# Altium PCB 2008E_SablierElectronique_JJE.PcbDoc (part 2 of 2)
Units mm, origin at the board's own origin, x right, y up, seen from the top; angles counter-clockwise.
Board outline 120 x 100 mm, 2 copper layers (Top Layer, Bottom Layer), stack 1.586 mm thick; 129 components, 163 nets, 562 pads, 209 vias.
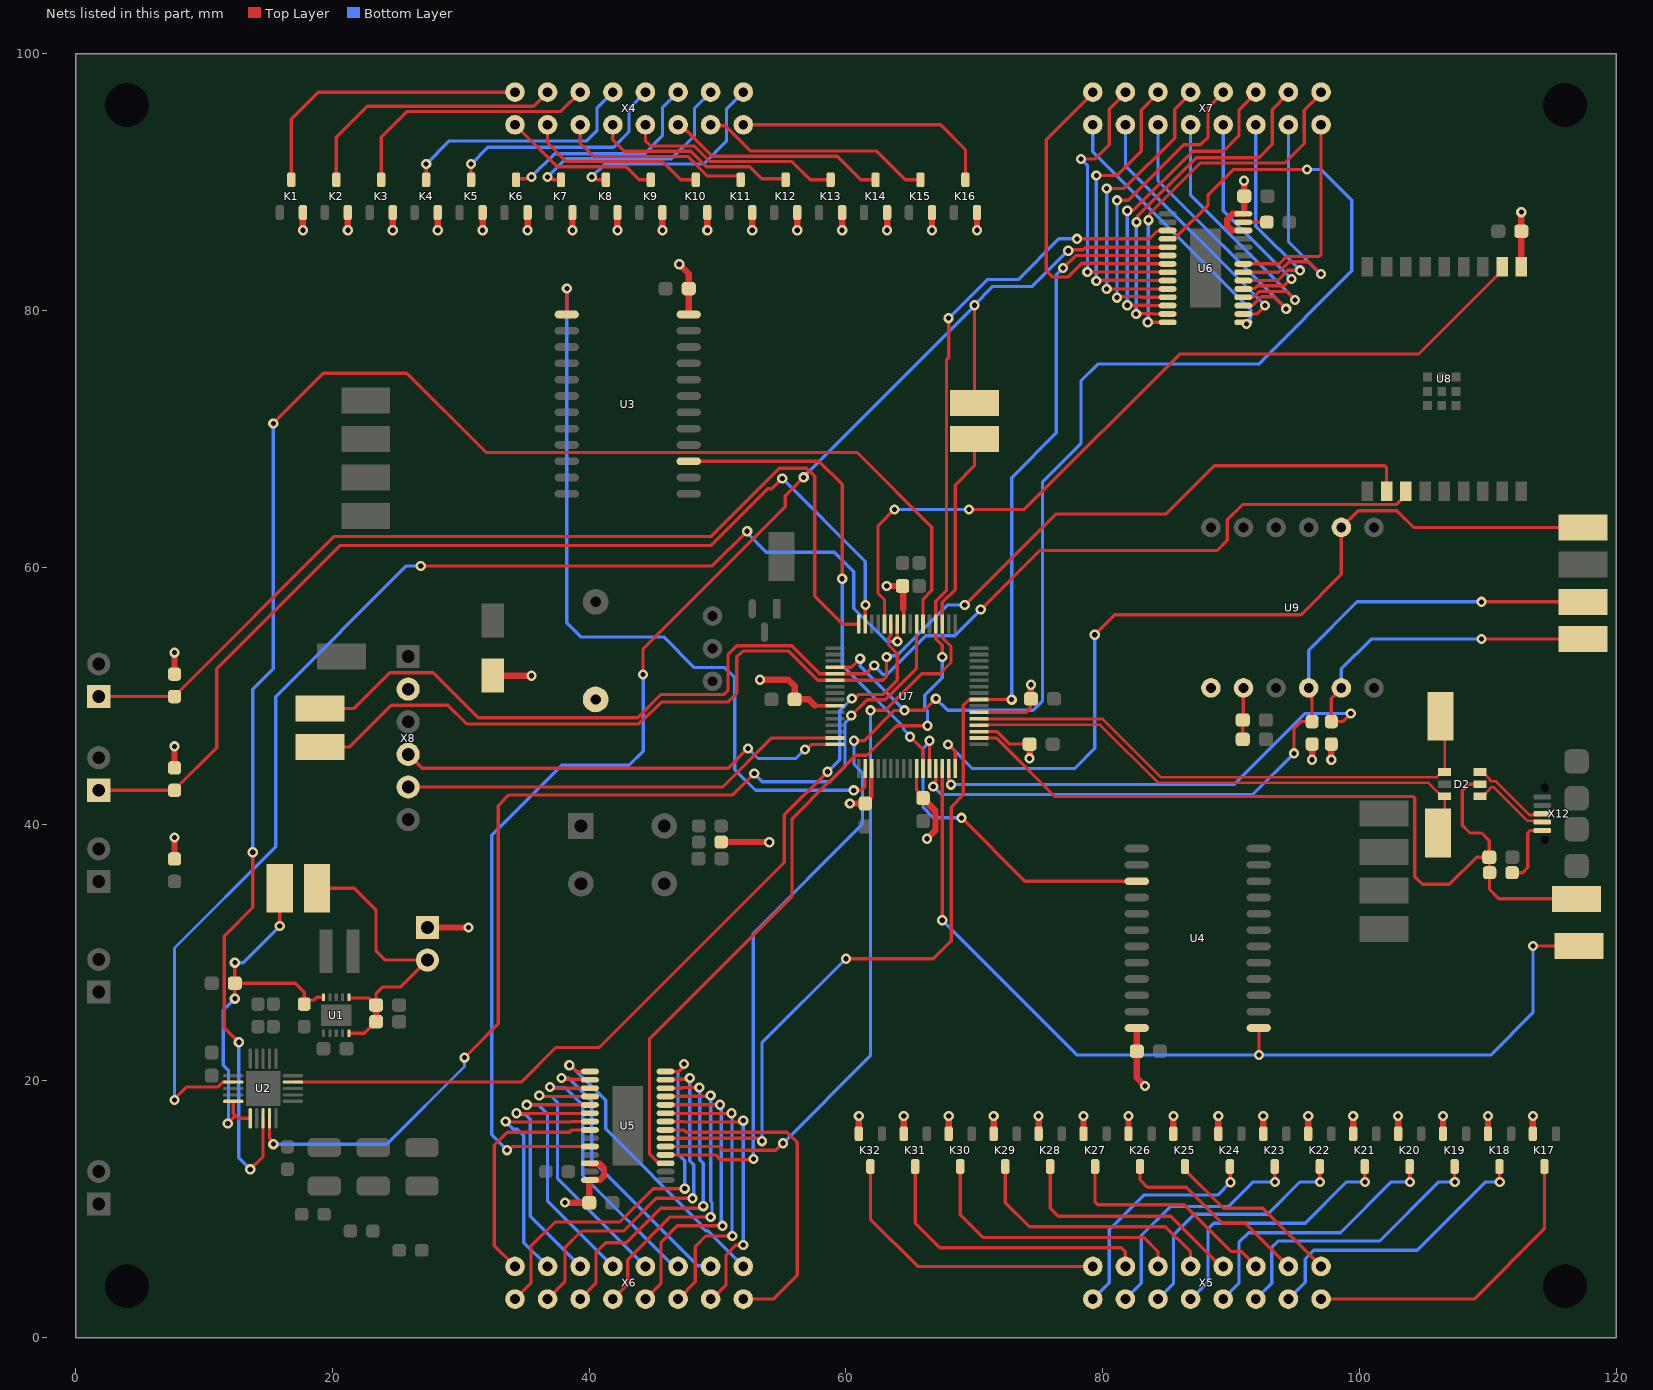
[diagram p2: the nets of this part, all layers, seen from the top]

## Via types
v1: diameter 0.8, hole 0.4, Top Layer to Bottom Layer, 209 vias

## Nets (pads, with @x,y where several pads share a name; then routed paths per layer and width w, separated by ;. In a path a pad name is that pad's centre, name@x,y a point inside that pad or via, vN(x,y) a via of type N, cw(c..) or ccw(c..) an arc to the next point about the centre after c; other vN are vias at no path point) (continued)
NetR9_2: R9.2 U6.27 | length 1.8
  Top Layer w0.254: U6.27@90.95,86.875 R9.2@92.783,86.875
NetR16_1: R16.1 X12.1 | length 5.3
  Top Layer w0.254: R16.1@111.875,36.213 112.7,36.213 113.1,36.613 113.1,39.3 113.3,39.5 X12.1@114.225,39.5
NetTP7_1: TP7.1 U4.1 U7.30 | length 74.5
  Top Layer w0.254: v1(67.5,32.5) U7.30@67.5,44.337 ; U4.1@92.15,24.115 92.16,24.105 v1(92.16,22) ; v1(113.5,30.5) TP7.1@117.1,30.5
  Bottom Layer w0.254: v1(67.5,32.5) 78,22 v1(92.16,22) 110.2,22 113.5,25.3 v1(113.5,30.5)
NetU2_3: U2.3 U7.54 | length 130.6
  Top Layer w0.254: v1(12.712,23) 11.572,24.14 11.572,31.269 13.8,33.497 v1(13.8,37.8) ; v1(13.6,13.103) 14.6,14.103 U2.3@14.6,17.075 ; v1(15.4,71.2) 19.3,75.1 25.798,75.1 31.965,68.933 60.867,68.933 66.688,63.112 66.688,58.209 66,57.521 U7.54@66,55.563
  Bottom Layer w0.254: v1(12.712,23) 12.712,13.991 v1(13.6,13.103) ; v1(13.8,37.8) 13.8,50.5 15.4,52.1 v1(15.4,71.2)
NetU2_4: U2.4 U7.55 | length 84
  Top Layer w0.254: U2.4@15.1,17.075 15.1,15.515 15.4,15.215 v1(15.4,15.067) ; v1(30.288,21.801) 32.915,24.428 32.915,41.435 33.745,42.265 51.185,42.265 v1(52.852,43.932) ; v1(60.413,48.45) 61.65,49.687 63.06,49.687 65.5,52.127 U7.55@65.5,55.563
  Bottom Layer w0.254: v1(15.4,15.067) 24.244,15.067 30.288,21.111 v1(30.288,21.801) ; v1(52.852,43.932) 53.485,43.3 58.75,43.3 59.915,44.465 59.915,47.844 60.413,48.342 v1(60.413,48.45)
NetU2_9: U2.9 U7.59 | length 69.2
  Top Layer w0.254: U2.9@16.925,19.9 34.712,19.9 37.412,22.6 40.8,22.6 55.2,37 55.2,40.709 v1(58.562,44.071) ; v1(60.458,49.773) 60.605,49.773 60.792,49.96 60.868,49.96 61,50.092 62.892,50.092 64,51.2 64,53.262 63.322,53.94 63.322,54.501 63.488,54.668 63.488,55.552 U7.59@63.5,55.563
  Bottom Layer w0.254: v1(58.562,44.071) 59.51,45.018 59.51,48.825 v1(60.458,49.773)
NetU2_17: U2.17 U7.58 | length 100.3
  Top Layer w0.254: v1(7.7,18.5) 7.7,18.608 8.6,19.508 11.054,19.508 11.445,19.898 12.273,19.898 U2.17@12.275,19.9 ; v1(26.879,60.1) 49.6,60.1 v1(52.3,62.8) ; v1(64,54.221) U7.58@64,55.563
  Bottom Layer w0.254: v1(7.7,18.5) 7.7,30.342 15.588,38.23 15.588,49.925 25.763,60.1 v1(26.879,60.1) ; v1(52.3,62.8) 52.3,62.663 53.79,61.173 59.077,61.173 60.6,59.65 60.6,56.784 63.163,54.221 v1(64,54.221)
NetU3_1: U3.1 U7.18 | length 62.4
  Top Layer w0.254: U3.1@38.25,79.685 38.25,81.692 v1(38.258,81.7) ; v1(60.6,42.62) 60.623,42.644 61.173,42.644 61.487,42.958 61.487,44.324 U7.18@61.5,44.337
  Bottom Layer w0.254: v1(38.258,81.7) 38.258,55.665 39.35,54.573 45.798,54.573 48.185,52.185 50.559,52.185 51.335,51.41 51.335,44.236 52.95,42.62 v1(60.6,42.62)
NetU3_15: U3.15 U7.27 | length 37.4
  Top Layer w0.254: U3.15@47.75,68.255 57.894,68.255 59.7,66.449 v1(59.7,59.099) ; v1(64.985,46.795) 66,45.78 U7.27@66,44.337
  Bottom Layer w0.254: v1(59.7,59.099) 59.7,52.349 64.478,47.571 64.478,47.392 64.985,46.884 v1(64.985,46.795)
NetU4_15: U4.15 U7.28 | length 26.6
  Top Layer w0.254: U7.28@66.5,44.337 66.503,44.34 66.503,46.48 v1(66.506,46.483) ; v1(69,40.478) 73.933,35.545 U4.15@82.65,35.545
  Bottom Layer w0.254: v1(66.506,46.483) 66.506,46.391 66,45.884 66,41.29 66.812,40.478 v1(69,40.478)
NetU7_60: U7.60 U8.2 | length 65.1
  Top Layer w0.254: U7.60@63,55.563 63,57.452 62.498,57.954 62.498,63.227 v1(63.771,64.5) ; v1(69.581,64.5) 73.9,64.5 86,76.6 104.59,76.6 111.1,83.11 U8.2@111.1,83.41
  Bottom Layer w0.254: v1@63.7,64.5 v1(69.581,64.5)
OBL0: K17.3 X5.1 | length 24.5
  Top Layer w0.254: X5.1@97,3 108.921,3 114.4,8.479 K17.3@114.4,13.325
OBL1: K18.3 X5.2 | length 22.5
  Top Layer w0.254: v1@110.9,12.141 K18.3@110.9,13.325
  Bottom Layer w0.254: X5.2@94.46,3 95.76,4.3 95.76,6.121 96.439,6.8 104.5,6.8 109.82,12.12 v1(110.92,12.12)
OBL2: K19.3 X5.3 | length 22.1
  Top Layer w0.254: v1@107.4,12.141 K19.3@107.4,13.325
  Bottom Layer w0.254: X5.3@91.92,3 93.156,4.236 93.156,7.023 93.655,7.523 101.555,7.523 106.153,12.12 v1(107.42,12.12)
OBL3: K20.3 X5.4 | length 21.4
  Top Layer w0.254: v1@103.9,12.141 K20.3@103.9,13.325
  Bottom Layer w0.254: X5.4@89.38,3 90.6,4.22 90.6,7.414 91.359,8.173 98.513,8.173 102.459,12.12 v1(103.92,12.12)
OBL4: K21.3 X5.5 | length 21
  Top Layer w0.254: v1@100.4,12.141 K21.3@100.4,13.325
  Bottom Layer w0.254: X5.5@86.84,3 88.2,4.36 88.2,8.471 88.629,8.9 95.76,8.9 98.981,12.12 v1(100.42,12.12)
OBL5: K22.3 X5.6 | length 19.8
  Top Layer w0.254: v1@96.9,12.141 K22.3@96.9,13.325
  Bottom Layer w0.254: X5.6@84.3,3 85.5,4.2 85.5,7.973 87.127,9.6 92.84,9.6 95.36,12.12 v1(96.92,12.12)
OBL6: K23.3 X5.7 | length 18.8
  Top Layer w0.254: v1@93.4,12.141 K23.3@93.4,13.325
  Bottom Layer w0.254: X5.7@81.76,3 83,4.24 83,7.951 85.249,10.2 89.786,10.2 91.706,12.12 v1(93.42,12.12)
OBL7: K24.3 X5.8 | length 18.1
  Top Layer w0.254: K24.3@89.9,13.325 89.92,13.305 89.92,12.12 v1(89.941,12.1)
  Bottom Layer w0.254: X5.8@79.22,3 80.5,4.28 80.5,8.4 83.2,11.1 88.941,11.1 v1(89.941,12.1)
OBL8: K25.3 X5.9 | length 14
  Top Layer w0.254: K25.3@86.4,13.325 86.4,13.075 89.401,10.074 92.466,10.074 X5.9@97,5.54
OBL9: K26.3 X5.10 | length 15.4
  Top Layer w0.254: K26.3@82.9,13.325 82.9,12.279 83.479,11.7 86.509,11.7 89.309,8.9 91.1,8.9 X5.10@94.46,5.54
OBL10: K27.3 X5.11 | length 17.4
  Top Layer w0.254: K27.3@79.4,13.325 79.4,10.556 79.62,10.336 86.353,10.336 89.979,6.71 90.8,6.71 91.92,5.59 X5.11@91.92,5.54
OBL11: K28.3 X5.12 | length 18.6
  Top Layer w0.254: K28.3@75.9,13.325 75.9,10.074 76.52,9.454 85.281,9.454 89.195,5.54 X5.12@89.38,5.54
OBL12: K29.3 X5.13 | length 20
  Top Layer w0.254: K29.3@72.4,13.325 72.4,10.518 74.292,8.626 84.882,8.626 86.835,6.673 86.835,5.545 X5.13@86.84,5.54
OBL13: K30.3 X5.14 | length 21.5
  Top Layer w0.254: K30.3@68.9,13.325 68.9,9.563 70.662,7.8 83.176,7.8 84.299,6.677 84.299,5.541 X5.14@84.3,5.54
OBL14: K31.3 X5.15 | length 22.8
  Top Layer w0.254: K31.3@65.4,13.325 65.4,8.915 67.316,6.999 81.434,6.999 81.757,6.676 81.757,5.542 X5.15@81.76,5.54
OBL15: K32.3 X5.16 | length 22.9
  Top Layer w0.254: K32.3@61.9,13.325 61.9,9.228 65.588,5.54 X5.16@79.22,5.54
OL0: K1.3 X4.1 | length 23
  Top Layer w0.254: K1.3@16.8,90.175 16.8,94.9 18.9,97 X4.1@34.22,97
OL1: K2.3 X4.2 | length 21.2
  Top Layer w0.254: K2.3@20.3,90.175 20.3,93.5 22.705,95.905 35.665,95.905 X4.2@36.76,97
OL2: K3.3 X4.3 | length 20.3
  Top Layer w0.254: K3.3@23.8,90.175 23.8,93.486 25.814,95.5 37.8,95.5 X4.3@39.3,97
OL3: K4.3 X4.4 | length 19.1
  Top Layer w0.254: K4.3@27.3,90.175 v1(27.3,91.4)
  Bottom Layer w0.254: v1(27.3,91.4) 29.1,93.2 39.8,93.2 40.6,94 40.6,95.76 X4.4@41.84,97
OL4: K5.3 X4.5 | length 18.2
  Top Layer w0.254: K5.3@30.8,90.175 v1(30.8,91.4)
  Bottom Layer w0.254: v1(30.8,91.4) 32.1,92.7 41.9,92.7 43.1,93.9 43.1,95.72 X4.5@44.38,97
OL5: K6.3 X4.6 | length 16.7
  Top Layer w0.254: K6.3@34.3,90.175 34.39,90.265 35.217,90.265 35.352,90.4 v1(35.5,90.4)
  Bottom Layer w0.254: v1(35.5,90.4) 37.31,92.21 44.31,92.21 45.7,93.6 45.7,95.78 X4.6@46.92,97
OL6: K7.3 X4.7 | length 17.8
  Top Layer w0.254: v1(36.76,90.4) 36.908,90.4 37.133,90.175 K7.3@37.8,90.175
  Bottom Layer w0.254: v1(36.76,90.4) 38.165,91.805 46.405,91.805 48.2,93.6 48.2,95.74 X4.7@49.46,97
OL7: K8.3 X4.8 | length 17.2
  Top Layer w0.254: v1(40.2,90.4) 40.348,90.4 40.573,90.175 K8.3@41.3,90.175
  Bottom Layer w0.254: v1(40.2,90.4) 41.2,91.4 48.9,91.4 50.7,93.2 50.7,95.7 X4.8@52,97
OL8: K9.3 X4.9 | length 12.4
  Top Layer w0.254: X4.9@34.22,94.46 37.495,91.185 42.876,91.185 43.886,90.175 K9.3@44.8,90.175
OL9: K10.3 X4.10 | length 14.1
  Top Layer w0.254: X4.10@36.76,94.46 36.76,93.04 38.21,91.59 45.71,91.59 47.125,90.175 K10.3@48.3,90.175
OL10: K11.3 X4.11 | length 15.2
  Top Layer w0.254: X4.11@39.3,94.46 39.3,93 40.305,91.995 47.678,91.995 49.212,90.461 51.605,90.461 51.8,90.265 K11.3@51.8,90.175
OL11: K12.3 X4.12 | length 15.9
  Top Layer w0.254: X4.12@41.84,94.46 41.84,93.3 42.74,92.4 47.91,92.4 49.12,91.19 52.51,91.19 53.435,90.265 55.21,90.265 K12.3@55.3,90.175
OL12: K13.3 X4.13 | length 16.9
  Top Layer w0.254: X4.13@44.38,94.46 44.38,93.225 44.8,92.805 48.195,92.805 49.4,91.6 55.785,91.6 57.21,90.175 K13.3@58.8,90.175
OL13: K14.3 X4.14 | length 17.2
  Top Layer w0.254: X4.14@46.92,94.46 47.113,94.46 49.568,92.005 59.323,92.005 61.153,90.175 K14.3@62.3,90.175
OL14: K15.3 X4.15 | length 18.1
  Top Layer w0.254: X4.15@49.46,94.46 49.534,94.386 50.603,94.386 52.579,92.41 62.39,92.41 64.625,90.175 K15.3@65.8,90.175
OL15: K16.3 X4.16 | length 20.5
  Top Layer w0.254: X4.16@52,94.46 67.372,94.46 69.3,92.532 K16.3@69.3,90.175
OutAC0: U5.7 X6.1 | length 26
  Top Layer w0.254: U5.7@45.95,16.175 47.377,16.175 47.552,16 55.4,16 56.2,15.2 56.2,4.851 54.349,3 X6.1@52,3
OutAC1: U5.8 X6.2 | length 21.4
  Top Layer w0.254: U5.8@45.95,16.825 47.354,16.825 47.382,16.797 51.901,16.797 v1(52,16.896) ; X6.2@49.46,3 49.558,3 50.658,4.1 50.658,6.43 51.419,7.191 51.985,7.191 v1(52,7.206)
  Bottom Layer w0.254: v1(52,7.206) v1(52,16.896)
OutAC2: U5.9 X6.3 | length 22.6
  Top Layer w0.254: U5.9@45.95,17.475 45.964,17.461 51.073,17.461 v1(51.087,17.475) ; X6.3@46.92,3 48.251,4.331 48.251,7.078 49.085,7.912 v1(51.149,7.912)
  Bottom Layer w0.254: v1(51.087,17.475) 51.118,17.444 51.118,7.943 v1(51.149,7.912)
OutAC3: U5.10 X6.4 | length 24
  Top Layer w0.254: X6.4@44.38,3 45.6,4.22 45.6,7.436 46.864,8.7 v1(50.373,8.7) ; U5.10@45.95,18.125 45.957,18.132 50.184,18.132 v1(50.191,18.139)
  Bottom Layer w0.254: v1(50.191,18.139) 50.282,18.048 50.282,8.791 v1(50.373,8.7)
OutAC4: U5.11 X6.5 | length 24.5
  Top Layer w0.254: X6.5@41.84,3 43,4.16 43,6.075 46.325,9.4 v1(49.46,9.4) ; U5.11@45.95,18.775 45.978,18.803 49.414,18.803 v1(49.46,18.849)
  Bottom Layer w0.254: v1(49.46,9.4) 49.563,9.503 49.563,10.518 49.46,10.621 v1(49.46,18.849)
OutAC5: U5.12 X6.6 | length 26
  Top Layer w0.254: X6.6@39.3,3 40.525,4.225 40.525,6.625 41.279,7.38 42.891,7.38 45.588,10.076 48.723,10.076 v1(48.885,10.238) ; U5.12@45.95,19.425 47.22,19.425 47.276,19.481 v1(48.576,19.481)
  Bottom Layer w0.254: v1(48.576,19.481) 48.609,19.448 48.609,13.86 48.885,13.585 v1(48.885,10.238)
OutAC6: U5.13 X6.7 | length 27.6
  Top Layer w0.254: X6.7@36.76,3 38.106,4.346 38.106,7.009 39.398,8.3 42.691,8.3 45.232,10.842 v1(48.051,10.842) ; U5.13@45.95,20.075 45.988,20.113 47.735,20.113 v1(47.837,20.214)
  Bottom Layer w0.254: v1(47.837,20.214) 47.837,13.779 48.149,13.467 48.149,10.939 v1(48.051,10.842)
OutAC7: U5.14 X6.8 | length 30.4
  Top Layer w0.254: X6.8@34.22,3 35.458,4.238 35.458,7.117 37.341,9 42.384,9 44.984,11.6 v1(47.443,11.6) ; U5.14@45.95,20.725 46.979,20.725 47.283,21.03 47.283,21.196 v1(47.388,21.3)
  Bottom Layer w0.254: v1(47.388,21.3) 47.388,21.152 46.92,20.684 46.92,14.29 47.432,13.779 47.432,12.531 47.443,12.52 v1(47.443,11.6)
OutAC8: U5.15 X6.9 | length 23.2
  Top Layer w0.254: v1(38.455,21.213) 38.533,21.213 39.021,20.725 U5.15@40.05,20.725
  Bottom Layer w0.254: v1(38.455,21.213) 38.533,21.213 41.279,18.467 41.279,16.261 48.662,8.878 48.662,8.719 49.059,8.322 49.218,8.322 X6.9@52,5.54
OutAC9: U5.16 X6.10 | length 22.6
  Top Layer w0.254: v1(37.845,20.214) 37.946,20.113 40.013,20.113 U5.16@40.05,20.075
  Bottom Layer w0.254: v1(37.845,20.214) 37.864,20.195 38.422,20.195 40.2,18.417 40.2,13.86 48.466,5.594 49.406,5.594 X6.10@49.46,5.54
OutAC10: U5.17 X6.11 | length 22.1
  Top Layer w0.254: v1(36.949,19.51) 37.034,19.425 U5.17@40.05,19.425
  Bottom Layer w0.254: v1(36.949,19.51) 36.978,19.481 38.108,19.481 39.502,18.088 39.502,12.622 46.583,5.54 X6.11@46.92,5.54
OutAC11: U5.18 X6.12 | length 21.2
  Top Layer w0.254: v1(36.112,18.85) 36.187,18.775 U5.18@40.05,18.775
  Bottom Layer w0.254: v1(36.112,18.85) 36.187,18.775 37.062,18.775 37.533,18.304 37.533,12.387 X6.12@44.38,5.54
OutAC12: U5.19 X6.13 | length 20.8
  Top Layer w0.254: v1(35.133,18.125) U5.19@40.05,18.125
  Bottom Layer w0.254: v1(35.133,18.125) 36.034,18.125 36.76,17.399 36.76,10.62 X6.13@41.84,5.54
OutAC13: U5.20 X6.14 | length 20.1
  Top Layer w0.254: v1(34.34,17.475) 34.368,17.447 40.022,17.447 U5.20@40.036,17.461
  Bottom Layer w0.254: v1(34.34,17.475) 34.445,17.371 35.055,17.371 35.404,17.022 35.404,9.436 X6.14@39.3,5.54
OutAC14: U5.21 X6.15 | length 19.4
  Top Layer w0.254: v1(33.489,16.825) 33.517,16.797 38.618,16.797 38.646,16.825 U5.21@40.05,16.825
  Bottom Layer w0.254: v1(33.489,16.825) 34.086,16.229 34.408,16.229 34.9,15.737 34.9,7.4 X6.15@36.76,5.54
OutAC15: U5.22 X6.16 | length 18.1
  Top Layer w0.254: X6.16@34.22,5.54 32.6,7.16 32.6,15 33.6,16 38.482,16 38.657,16.175 U5.22@40.05,16.175
OutBC0: U6.7 X7.1 | length 25.4
  Top Layer w0.254: X7.1@79.22,96.9 75.6,93.28 75.6,83.093 76.097,82.596 77.27,82.596 78.352,83.678 79.997,83.678 80.05,83.625 U6.7@85.05,83.625
OutBC1: U6.8 X7.2 | length 22.5
  Top Layer w0.254: v1(78.3,91.8) 79.4,91.8 80.5,92.9 80.5,95.66 81.74,96.9 X7.2@81.76,96.9 ; v1(78.8,83) 78.812,82.988 85.038,82.988 U6.8@85.05,82.975
  Bottom Layer w0.254: v1(78.3,91.8) 78.8,91.3 v1(78.8,83)
OutBC2: U6.9 X7.3 | length 23.1
  Top Layer w0.254: v1(79.5,82.297) 79.556,82.353 82.104,82.353 82.132,82.325 U6.9@85.05,82.325 ; v1(79.5,90.5) 81.1,90.5 83,92.4 83,95.6 X7.3@84.3,96.9
  Bottom Layer w0.254: v1(79.5,82.297) v1(79.5,90.5)
OutBC3: U6.10 X7.4 | length 23.5
  Top Layer w0.254: v1(80.3,81.675) U6.10@85.05,81.675 ; v1(80.3,89.5) 81.681,89.5 85.6,93.419 85.6,95.66 X7.4@86.84,96.9
  Bottom Layer w0.254: v1(80.3,81.675) v1(80.3,89.5)
OutBC4: U6.11 X7.5 | length 24.7
  Top Layer w0.254: v1(81.1,80.997) 81.181,81.078 82.892,81.078 82.945,81.025 U6.11@85.05,81.025 ; v1(81.1,88.575) 81.967,88.575 86.292,92.9 87.6,92.9 88.2,93.5 88.2,95.8 89.3,96.9 X7.5@89.38,96.9
  Bottom Layer w0.254: v1(81.1,80.997) v1(81.1,88.575)
OutBC5: U6.12 X7.6 | length 25.5
  Top Layer w0.254: v1(81.9,80.4) 81.903,80.403 83.388,80.403 83.416,80.375 U6.12@85.05,80.375 ; v1(81.9,87.759) 81.969,87.828 82.428,87.828 87,92.4 89.4,92.4 90.6,93.6 90.6,95.58 X7.6@91.92,96.9
  Bottom Layer w0.254: v1(81.9,80.4) v1(81.9,87.759)
OutBC6: U6.13 X7.7 | length 27.4
  Top Layer w0.254: v1(82.6,79.725) 82.628,79.753 83.878,79.753 83.906,79.725 U6.13@85.05,79.725 ; v1(82.628,86.875) 82.732,86.979 82.732,87.366 87.267,91.9 92.168,91.9 93.2,92.932 93.2,95.64 X7.7@94.46,96.9
  Bottom Layer w0.254: v1(82.6,79.725) 82.614,79.739 82.614,86.861 v1(82.628,86.875)
OutBC7: U6.14 X7.8 | length 28.8
  Top Layer w0.254: v1(83.5,79.075) U6.14@85.05,79.075 ; v1(83.566,87.033) 83.648,87.114 83.648,87.548 87.583,91.483 94.183,91.483 95.7,93 95.7,95.6 X7.8@97,96.9
  Bottom Layer w0.254: v1(83.5,79.075) 83.533,79.108 83.533,87 v1(83.566,87.033)
OutBC8: U6.15 X7.9 | length 21
  Top Layer w0.254: U6.15@90.95,79.075 91.19,79.075 v1(91.19,78.949)
  Bottom Layer w0.254: X7.9@79.22,94.36 79.22,92.355 91.549,80.026 91.549,79.455 91.19,79.097 v1(91.19,78.949)
OutBC9: U6.16 X7.10 | length 20.5
  Top Layer w0.254: U6.16@90.95,79.725 92.031,79.725 92.633,80.327 v1(92.633,80.392)
  Bottom Layer w0.254: X7.10@81.76,94.36 81.76,91.265 v1(92.633,80.392)
OutBC10: U6.17 X7.11 | length 22.4
  Top Layer w0.254: U6.17@90.95,80.375 90.988,80.413 91.695,80.413 92.352,81.07 93.33,81.07 v1(94.279,80.121)
  Bottom Layer w0.254: X7.11@84.3,94.36 84.3,90.1 v1(94.279,80.121)
OutBC11: U6.18 X7.12 | length 21.4
  Top Layer w0.254: U6.18@90.95,81.025 90.988,81.063 91.772,81.063 92.184,81.475 94.322,81.475 v1(94.978,80.819)
  Bottom Layer w0.254: X7.12@86.84,94.36 86.84,88.957 v1(94.978,80.819)
OutBC12: U6.19 X7.13 | length 18.2
  Top Layer w0.254: U6.19@90.95,81.675 90.988,81.713 91.849,81.713 92.057,81.92 94.115,81.92 94.644,82.449 v1(94.69,82.449)
  Bottom Layer w0.254: X7.13@89.38,94.36 89.38,87.759 v1@94.69,82.449
OutBC13: U6.20 X7.14 | length 17.4
  Top Layer w0.254: U6.20@90.95,82.325 93.607,82.325 94.409,83.127 95.357,83.127 v1(95.363,83.121)
  Bottom Layer w0.254: X7.14@91.92,94.36 91.92,86.564 v1(95.363,83.121)
OutBC14: U6.21 X7.15 | length 19.4
  Top Layer w0.254: U6.21@90.95,82.975 93.685,82.975 94.509,83.799 96.028,83.799 v1(96.993,82.834)
  Bottom Layer w0.254: X7.15@94.46,94.36 94.46,85.367 v1(96.993,82.834)
OutBC15: U6.22 X7.16 | length 16.4
  Top Layer w0.254: U6.22@90.95,83.625 93.762,83.625 94.341,84.204 96.851,84.204 97,84.353 X7.16@97,94.36
PGEC: U7.15 X8.5 | length 34.8
  Top Layer w0.254: X8.5@25.9,42.88 50.397,42.88 54.217,46.7 U7.15@59.137,46.7
PGED: U7.16 X8.4 | length 35.1
  Top Layer w0.254: X8.4@25.9,45.42 26.98,44.34 50.818,44.34 v1(52.363,45.884) ; v1(56.8,45.8) 56.948,45.8 57.348,46.2 U7.16@59.137,46.2
  Bottom Layer w0.254: v1(52.363,45.884) 53.145,45.102 56.102,45.102 v1(56.8,45.8)
RX_WIFI: TP20.1 U7.6 U8.11 | length 99.6
  Top Layer w0.254: TP20.1@19.029,46 21.343,46 23.973,48.63 24.59,49.247 28.989,49.247 30.441,47.795 43.868,47.795 45.193,49.067 45.626,49.5 50.785,49.5 51.485,50.2 51.485,53.012 51.941,53.469 55.531,53.469 57.8,51.2 U7.6@59.137,51.2 62.86,51.2 63.163,51.503 v1(63.163,53.012) ; v1(69.246,57.051) 76.335,64.14 84.909,64.14 88.669,67.9 101.951,67.9 102.1,67.751 U8.11@102.1,65.91
  Bottom Layer w0.254: v1(63.163,53.012) 63.254,53.103 63.944,53.103 67.892,57.051 v1(69.246,57.051)
SCL/SPC_Accel: R17.1 TP21.1 U7.29 U9.10 | length 63.3
  Top Layer w0.254: v1(66.801,42.92) 66.801,43.067 67,43.267 U7.29@67,44.337 ; v1(94.9,45.501) 94.9,47.448 95.427,47.975 R17.1@96.3,47.975 96.3,49.73 96.283,49.747 96.283,50.357 U9.10@96.04,50.6 ; v1(109.5,57.3) TP21.1@117.4,57.3
  Bottom Layer w0.254: v1(66.801,42.92) 67.42,42.3 91.699,42.3 v1(94.9,45.501) ; U9.10@96.04,50.6 96.04,53.54 99.8,57.3 v1(109.5,57.3)
SCLK_TLC: U5.4 U6.4 U7.4 | length 142.2
  Top Layer w0.254: U5.4@45.95,14.225 49.845,14.225 50.21,13.86 52.76,13.86 v1(52.8,13.9) ; U7.4@59.137,52.2 60.428,52.2 v1(61.104,52.876) ; v1(60.623,46.48) 60.625,46.482 61.404,46.482 63.772,48.849 64.551,48.849 v1(64.553,48.851) 66.09,48.851 v1(67,49.761) ; U6.4@85.05,85.575 85.578,85.575 85.725,85.722 85.733,85.722 88.2,88.189 88.2,89.001 90.166,90.967 v1(95.9,90.967)
  Bottom Layer w0.254: v1(52.8,13.9) 52.771,13.929 52.771,31.471 61.278,39.978 61.278,44.008 60.623,44.663 v1(60.623,46.48) ; v1(61.104,52.876) 61.114,52.866 61.114,52.29 v1(64.553,48.851) ; v1(67,49.761) 67.91,48.851 74.574,48.851 75.3,49.577 75.3,66.613 78.3,69.613 78.3,74.502 79.622,75.825 92.148,75.825 99.4,83.077 99.4,88.575 97.008,90.967 v1(95.9,90.967)
SDA/SDI/SDO_Accel: R18.1 TP22.1 U7.31 U9.11 | length 60.7
  Top Layer w0.254: U7.31@68,44.337 68.013,44.324 68.013,43.38 68.178,43.215 v1(68.178,43.067) ; U9.11@98.58,50.6 98.58,50.544 97.8,49.764 R18.1@97.8,47.975 98.686,47.975 v1(99.311,48.6) ; v1(109.5,54.4) TP22.1@117.4,54.4
  Bottom Layer w0.254: v1(68.178,43.067) 90.198,43.067 95.731,48.6 v1(99.311,48.6) ; U9.11@98.58,50.6 98.58,52.08 100.9,54.4 v1(109.5,54.4)
SDO/SA0_Accel: TP23.1 U7.32 U9.2 | length 68.5
  Top Layer w0.254: v1(67.948,46.2) 68.5,45.647 U7.32@68.5,44.337 ; v1(79.375,54.736) 80.939,56.3 95.442,56.3 98.58,59.438 U9.2@98.58,63.1 99.88,64.4 102.9,64.4 104.2,63.1 TP23.1@117.4,63.1
  Bottom Layer w0.254: v1(67.948,46.2) 69.824,44.324 77.814,44.324 79.375,45.885 v1(79.375,54.736)
SELECT: R14.1 U7.63 X10.1 | length 81
  Top Layer w0.254: X10.1@1.8,42.625 R14.1@7.7,42.625 7.7,42.65 11,45.95 11,52.1 20.6,61.7 49.501,61.7 53.905,66.104 54.225,66.104 v1(55.033,66.913) ; U7.63@61.5,55.563 61.508,55.571 61.508,57.043 v1(61.516,57.051)
  Bottom Layer w0.254: v1(55.033,66.913) 61.5,60.446 61.5,57.067 v1(61.516,57.051)
SIN_TLC: TP12.1 U5.5 U7.51 | length 72.6
  Top Layer w0.254: U5.5@45.95,14.875 50.161,14.875 50.436,14.6 54.535,14.6 55.074,15.139 v1(55.1,15.139) ; v1(61.9,48.851) 63.065,48.851 65.914,51.7 67.3,51.7 68.178,52.578 68.178,53.833 67.513,54.498 67.513,55.551 U7.51@67.5,55.563 67.5,57.26 68.5,58.26 68.5,66.4 70,67.9 TP12.1@70,70
  Bottom Layer w0.254: v1(55.1,15.139) 61.9,21.939 v1(61.9,48.851)
SOUT_TLC: TP13.1 U5.24 U6.5 | length 116.1
  Top Layer w0.254: v1(33.599,14.6) 33.747,14.6 34.022,14.875 U5.24@40.05,14.875 ; v1(44.193,51.649) 44.193,53.632 55.278,64.717 55.278,65.577 v1(56.701,67) ; TP13.1@70,72.8 v1(70,80.4) ; v1(77.31,84.646) 77.383,84.719 78.483,84.719 78.689,84.925 U6.5@85.05,84.925
  Bottom Layer w0.254: v1(33.599,14.6) 32.4,15.799 32.4,39.115 37.864,44.579 43.1,44.579 44.2,45.679 44.2,51.642 v1(44.193,51.649) ; v1(56.701,67) 56.701,67.051 69.982,80.331 69.982,80.418 71.432,81.868 74.5,81.868 77.278,84.646 v1(77.31,84.646)
TX_WIFI: TP19.1 U7.5 U8.12 | length 99.6
  Top Layer w0.254: TP19.1@19.029,49 21.688,49 24.466,51.778 27.847,51.778 31.351,48.274 43.774,48.274 45.592,50.092 48.3,50.092 48.312,50.08 50.469,50.08 50.818,50.429 50.818,53.207 51.485,53.874 55.775,53.874 57.948,51.7 U7.5@59.137,51.7 61.551,51.7 v1(62.2,52.349) ; v1(70.5,56.7) 75.1,61.3 88.9,61.3 89.7,62.1 89.7,63.7 90.882,64.882 102.872,64.882 103.6,65.61 U8.12@103.6,65.91
  Bottom Layer w0.254: v1(62.2,52.349) 62.2,52.342 62.9,51.642 63.181,51.642 66.208,54.669 68.469,54.669 v1(70.5,56.7)
UP: R11.1 U7.64 X9.1 | length 77.1
  Top Layer w0.254: X9.1@1.8,49.925 R11.1@7.7,49.925 7.7,49.95 20.15,62.4 49.498,62.4 54.797,67.7 56.96,67.7 57.567,67.093 57.567,57.75 59.753,55.563 U7.64@61,55.563
USB_CONN_N: D2.4 X12.2 | length 6.3
  Top Layer w0.2: D2.4@109.375,42.15 109.575,42.15 109.974,42.549 109.979,42.549 110.126,42.696 110.126,42.756 110.243,42.873 110.437,42.873 113.062,40.248 114.127,40.248 X12.2@114.225,40.15
USB_CONN_P: D2.6 X12.3 | length 6.3
  Top Layer w0.2: D2.6@109.375,44.05 109.575,44.05 109.974,43.651 109.979,43.651 110.126,43.504 110.126,43.444 110.243,43.327 110.625,43.327 113.25,40.702 114.127,40.702 X12.3@114.225,40.8
USB_N: D2.3 TP17.1 U7.36 | length 41.6
  Top Layer w0.2: U7.36@70.363,47.7 70.386,47.723 79.797,47.723 84.323,43.197 105.373,43.197 106.021,42.549 106.026,42.549 106.425,42.15 D2.3@106.625,42.15 106.625,39.808 TP17.1@106.117,39.3
USB_P: D2.1 TP18.1 U7.37 | length 42.8
  Top Layer w0.2: U7.37@70.363,48.2 70.386,48.177 79.985,48.177 84.511,43.651 106.026,43.651 106.425,44.05 D2.1@106.625,44.05 106.625,48.075 TP18.1@106.3,48.4
VBUS: C18.1 D2.5 R16.2 TP16.1 U7.34 | length 66.7
  Top Layer w0.254: U7.34@70.363,46.7 71.689,46.7 76.239,42.15 104.151,42.15 104.3,42.001 104.3,35.9 104.9,35.3 107,35.3 109.113,37.413 C18.1@110.1,37.413 110.1,38.7 109.5,39.3 108.6,39.3 108,39.9 108,42.6 108.5,43.1 D2.5@109.375,43.1 ; C18.1@110.113,37.4 110.113,37.013 110.125,37 110.125,36.213 110.125,34.9 110.85,34.175 TP16.1@116.9,34.175
VCC: C6.2 C7.2 C8.2 C9.2 C12.2 C13.2 C14.2 C15.2 C16.2 C17.2 C19.2 C20.1 C21.1 D1.2 K1.2 K2.2 K3.2 K4.2 K5.2 K6.2 K7.2 K8.2 K9.2 K10.2 K11.2 K12.2 K13.2 K14.2 K15.2 K16.2 K17.2 K18.2 K19.2 K20.2 K21.2 K22.2 K23.2 K24.2 K25.2 K26.2 K27.2 K28.2 K29.2 K30.2 K31.2 K32.2 LS1.1 R10.2 R11.2 R14.2 R15.2 R17.2 R18.2 U3.24 U4.24 U5.26 U5.28 U6.26 U6.28 U7.10 U7.19 U7.26 U7.35 U7.38 U7.57 U8.1 U9.7 U9.8 X1.1 X8.2 | length 124.6
  Top Layer w0.254: 57.567,49.228 57.595,49.2 U7.10@59.137,49.2 ; C12.2@61.5,41.597 61.5,41.6 62,42.1 U7.19@62,44.337 ; 64.472,56.761 64.5,56.733 U7.57@64.5,55.563 ; U7.26@65.5,44.337 65.5,42.62 66,42.12 C17.2@66,42.022 ; U7.35@70.363,47.2 71.773,47.2 72.748,46.225 C16.2@74.3,46.225 ; U7.38@70.363,48.7 74.056,48.7 74.345,48.989 74.345,49.692 C15.2@74.4,49.747 ; C20.1@90.9,46.6 C21.1@90.9,48.1 90.93,48.13 90.93,50.57 U9.8@90.96,50.6
  Top Layer w0.5: R15.2@7.7,37.275 v1(7.7,38.945) ; R14.2@7.7,44.375 v1(7.7,46.045) ; R11.2@7.7,51.675 v1(7.7,53.345) ; v1(17.7,86.246) K1.2@17.7,87.625 ; v1(21.2,86.246) K2.2@21.2,87.625 ; v1(24.7,86.246) K3.2@24.7,87.625 ; X1.1@27.4,31.94 v1(30.6,31.94) ; v1(28.2,86.246) K4.2@28.2,87.625 ; v1(31.7,86.246) K5.2@31.7,87.625 ; D1.2@32.5,51.55 v1(35.5,51.55) ; v1(35.2,86.246) K6.2@35.2,87.625 ; v1(38.108,10.518) 38.118,10.509 39.991,10.509 C8.2@40,10.5 40,12.25 40.025,12.275 U5.28@40.05,12.275 40.074,12.299 40.858,12.299 41.151,12.592 41.151,13.184 40.784,13.551 40.074,13.551 U5.26@40.05,13.575 ; v1(38.7,86.246) K7.2@38.7,87.625 ; v1(42.2,86.246) K8.2@42.2,87.625 ; v1(45.7,86.246) K9.2@45.7,87.625 ; v1(47.011,83.6) 47.75,82.861 C6.2@47.75,81.7 U3.24@47.75,79.685 ; v1(49.2,86.246) K10.2@49.2,87.625 ; R10.2@50.275,38.6 54,38.6 v1(54.025,38.575) ; v1(52.7,86.246) K11.2@52.7,87.625 ; v1(53.3,51.24) 55.501,51.24 56,50.741 C13.2@56,49.7 57.095,49.7 57.567,49.228 ; v1(56.2,86.246) K12.2@56.2,87.625 ; v1(59.7,86.246) K13.2@59.7,87.625 ; v1(60.3,41.6) 60.301,41.599 61.499,41.599 C12.2@61.5,41.597 ; K32.2@61,15.875 v1(61,17.254) ; v1(63.176,58.535) C14.2@64.4,58.535 64.472,58.463 64.472,56.761 ; v1(63.2,86.246) K14.2@63.2,87.625 ; K31.2@64.5,15.875 v1(64.5,17.254) ; C17.2@66,42.022 66,41.99 66.972,41.018 66.972,39.522 v1(66.3,38.85) ; v1(66.7,86.246) K15.2@66.7,87.625 ; K30.2@68,15.875 v1(68,17.254) ; v1(70.2,86.246) K16.2@70.2,87.625 ; K29.2@71.5,15.875 v1(71.5,17.254) ; v1(74.3,45.113) C16.2@74.3,46.225 ; C15.2@74.4,49.747 v1(74.4,50.843) ; K28.2@75,15.875 v1(75,17.254) ; K27.2@78.5,15.875 v1(78.5,17.254) ; K26.2@82,15.875 v1(82,17.254) ; U4.24@82.65,24.115 C7.2@82.65,22.3 82.65,20.238 v1(83.289,19.6) ; K25.2@85.5,15.875 v1(85.5,17.254) ; K24.2@89,15.875 v1(89,17.254) ; U6.28@90.5,87.525 90.13,87.525 89.7,87.095 89.7,86.589 90.04,86.249 90.926,86.249 U6.26@90.95,86.225 ; U6.28@90.95,87.525 90.995,87.525 91.02,87.55 C9.2@91.02,88.9 91.01,88.91 91.01,90.09 v1(91,90.1) ; K23.2@92.5,15.875 v1@92.5,17.254 ; K22.2@96,15.875 v1(96,17.254) ; v1(96.3,45) R17.2@96.3,46.225 ; v1(97.8,45) R18.2@97.8,46.225 ; K21.2@99.5,15.875 v1(99.5,17.254) ; K20.2@103,15.875 v1(103,17.254) ; K19.2@106.5,15.875 v1(106.5,17.254) ; K18.2@110,15.875 v1(110,17.254) ; U8.1@112.6,83.41 C19.2@112.6,86.166 v1(112.6,87.656) ; K17.2@113.5,15.875 v1(113.5,17.254)
  other v1: 92.5,17.254
Vout_MCP: C1.2 R1.2 TP1.1 U1.5 U2.1 U2.20 | length 32.3
  Top Layer w0.254: v1(11.849,16.675) 12.447,17.273 ; U2.20@12.275,18.4 12.275,17.445 12.447,17.273 ; v1(12.4,26.4) C1.2@12.4,27.6 ; v1(12.4,29.2) C1.2@12.4,27.6 ; U2.1@13.6,17.075 12.645,17.075 12.447,17.273 ; v1(15.9,32.05) TP1.1@15.9,35 ; U1.5@19.3,26.5 18.785,26.5 18.582,26.297 18.122,26.297 R1.2@17.8,25.975 17.8,26.9 17.1,27.6 C1.2@12.4,27.6
  Bottom Layer w0.254: v1(11.849,16.675) 11.9,16.726 11.9,20.824 11.5,21.224 11.5,25.5 v1(12.4,26.4) ; v1(12.4,29.2) 13.05,29.2 v1(15.9,32.05)
Vout_TPS: C2.2 C3.2 TP2.1 U1.1 U1.10 X1.2 | length 24.9
  Top Layer w0.254: TP2.1@18.785,35 21.7,35 23.4,33.3 23.4,30.1 24.1,29.4 X1.2@27.4,29.4 25.3,27.3 23.893,27.3 23.4,26.807 C3.2@23.4,25.9 23.374,25.9 22.828,26.446 21.307,26.446 21.3,26.453 U1.1@21.3,26.5 ; U1.10@21.3,23.7 22.475,23.7 23.375,24.6 C2.2@23.4,24.6
  Top Layer w0.5: C2.2@23.4,24.6 C3.2@23.4,25.9
VPRG_TLC: U5.6 U6.6 U7.40 | length 99.8
  Top Layer w0.254: U5.6@45.95,15.525 53.076,15.525 53.301,15.3 v1(53.449,15.3) ; v1(60,29.5) 66.8,29.5 68.19,30.89 68.19,41.322 69.132,42.265 69.132,49.239 69.581,49.687 70.351,49.687 U7.40@70.363,49.7 70.37,49.693 72.894,49.693 v1(72.9,49.687) ; v1(76.903,83.312) 76.935,83.312 77.898,84.275 U6.6@85.05,84.275
  Bottom Layer w0.254: v1(53.449,15.3) 53.449,22.949 v1(60,29.5) ; v1(72.9,49.687) 72.9,66.983 76.375,70.458 76.375,82.783 v1(76.903,83.312)
XLAT_TLC: U5.3 U6.3 U7.52 | length 98.8
  Top Layer w0.254: U5.3@45.95,13.575 45.422,13.575 45.275,13.722 45.267,13.722 44.7,14.289 44.7,23.277 55.797,34.374 55.797,40.403 58.786,43.393 58.843,43.393 59.24,43.79 59.24,43.846 60.745,45.351 61.635,45.351 63.939,47.655 v1(66.345,47.655) ; v1(67.5,53.012) 67.5,53.938 67,54.438 U7.52@67,55.563 67,57.333 67.822,58.155 67.822,76.132 68,76.31 68,79.39 v1(67.99,79.4) ; v1(77.988,85.575) 83.64,85.575 84.252,86.188 85.013,86.188 U6.3@85.05,86.225
  Bottom Layer w0.254: v1(66.345,47.655) 66.345,48.813 66.134,49.024 66.134,50.034 67.5,51.4 v1(67.5,53.012) ; v1(67.99,79.4) 70.995,82.405 73.405,82.405 76.575,85.575 v1(77.988,85.575) v1@77.96,85.603
pads on no net: M1.1 M2.1 M3.1 M4.1 U1.11 U5.23 U6.23 U6.24 U7.1 U7.2 U7.3 U7.8 U7.17 U7.33 U7.39 U7.43 U7.44 U7.45 U7.47 U7.48 U7.49 U7.50 U8.3 U8.4 U8.5 U8.6 U8.7 U8.8 U8.10 U8.13 U8.14 U8.15 U8.16 U8.17 U8.18 U9.3 U9.4 U9.5 U9.6 U9.12 X8.6 X12.0 X12.4

## Polygon pours and split planes (outlines as drawn)
GND on Top Layer "GND_L01_P002" (solid, remove dead copper, pour order 2): 0,0 120,0 120,100 0,100
+5V on Top Layer "+5V_L01_P000" (solid, remove dead copper, pour order 0): 0,11.775 9,11.775 9,19.2 11,19.2 11,18.5 11,16 14.263,16 14.263,10.5 18.4,10.5 18.4,8.9 22.2,8.9 22.2,7.5 26,7.5 26,6 0,6
VCC on Bottom Layer "VCC_L02_P001" (solid, remove dead copper, pour order 1): 0,0 120,0 120,100 0,100

## Silkscreen, mask and mechanical layers (free items; w line width, h text height)
Top Overlay:
  lines w0.254: 0.5,6.5 8,6.5 8,16 0.5,16 ; 0.5,19.5 8,19.5 8,32.5 0.5,32.5 ; 17.597,0.5 17.597,8.6 ; 28.753,0.535 28.753,10
  text "Sur X2 de la matrice 1" at 17,95.5 h0.75
  text "Sur X1 de la matrice 2" at 97.5,92.3 h0.75
  text "JJE" at 4.846,63.879 h1.52 r90
  text "UP" at 4.4,51.6 h0.75 r90
  text "SELECT" at 5.4,42.1 h0.75 r90
  text "DOWN" at 4.4,36.6 h0.75 r90
  text "GND" at 4.4,28.5 h0.75 r90
  text "Jumper Vcc" at 25.45,27.9 h0.75 r90
  text "Batterie" at 6.746,20.179 h1.52 r90
  text "GND" at 4.4,12.1 h0.75 r90
  text "+5V_IN" at 6.792,7.054 h1.52 r90
  text "Sur X2 de la matrice 2" at 97.6,7 h0.75
  text "Sur X1 de la matrice 1" at 54.1,3.965 h0.75
  text "Low Battery Output" at 28.245,0.535 h0.75 r90
  text "Constant Charge" at 20.645,0.5 h0.75 r90
  text "Charge Complete" at 24,0.5 h0.75 r90
Drill Drawing:
  circle w0.254: c2.612,127.901 r0.847
  lines w0.254: 1.765,121.127 3.458,121.127 2.612,119.434 1.765,121.127 ; 1.765,123.244 2.612,123.667 3.458,123.244 3.035,124.091 3.458,124.937 2.612,124.514 1.765,124.937 2.188,124.091 1.765,123.244 ; 1.765,131.287 2.188,131.287 2.188,130.864 3.035,130.864 3.035,131.287 3.458,131.287 3.458,132.134 3.035,132.134 3.035,132.557 2.188,132.557 2.188,132.134 1.765,132.134 1.765,131.287 ; 1.765,134.674 3.458,134.674 3.458,136.367 1.765,136.367 1.765,134.674 ; 1.765,138.907 2.188,138.907 2.612,138.484 3.035,138.907 3.458,138.907 3.035,139.331 3.458,139.754 3.035,139.754 2.612,140.177 2.188,139.754 1.765,139.754 2.188,139.331 1.765,138.907
  lines w0.381: 0.246,118.291 269.005,118.291 ; 0.246,141.151 269.005,141.151 ; 14.239,114.481 14.239,144.961 ; 29.221,114.481 29.221,144.961 ; 58.422,114.481 58.422,144.961 ; 71.271,114.481 71.271,144.961 ; 89.91,114.481 89.91,144.961 ; 127.998,114.481 127.998,144.961 ; 142.981,114.481 142.981,144.961 ; 161.924,114.481 161.924,144.961 ; 178.43,114.481 178.43,144.961 ; 200.115,114.481 200.115,144.961 ; 233.989,114.481 233.989,144.961 ; 0.246,114.481 269.005,114.481 269.005,144.961 0.246,144.961 0.246,114.481
  text "Symbol" at 2.532,142.294 h1.83
  text "Count" at 15.382,142.294 h1.83
  text "Hole Size" at 30.364,142.294 h1.83
  text "Plated" at 59.565,142.294 h1.83
  text "Hole Type" at 72.414,142.294 h1.83
  text "Drill Layer Pair" at 91.053,142.294 h1.83
  text "Via/Pad" at 129.141,142.294 h1.83
  text "Pad Shape" at 144.124,142.294 h1.83
  text "Template" at 163.067,142.294 h1.83
  text "Description" at 179.573,142.294 h1.83
  text "Hole Tolerance (+)" at 201.258,142.294 h1.83
  text "Hole Tolerance (-)" at 235.132,142.294 h1.83
  text "2" at 15.382,138.484 h1.52
  text "0.700mm (27.56mil)" at 30.364,138.484 h1.52
  text "NPTH" at 59.565,138.484 h1.52
  text "Round" at 72.414,138.484 h1.52
  text "Top Layer - Bottom Layer" at 91.053,138.484 h1.52
  text "Pad" at 129.141,138.484 h1.52
  text "Rounded" at 144.124,138.484 h1.52
  text "c70hn70" at 163.067,138.484 h1.52
  text "2" at 15.382,134.674 h1.52
  text "0.800mm (31.50mil)" at 30.364,134.674 h1.52
  text "PTH" at 59.565,134.674 h1.52
  text "Round" at 72.414,134.674 h1.52
  text "Top Layer - Bottom Layer" at 91.053,134.674 h1.52
  text "Pad" at 129.141,134.674 h1.52
  text "Rounded" at 144.124,134.674 h1.52
  text "c200h80" at 163.067,134.674 h1.52
  text "4" at 15.382,130.864 h1.52
  text "3.400mm (133.86mil)" at 30.364,130.864 h1.52
  text "NPTH" at 59.565,130.864 h1.52
  text "Round" at 72.414,130.864 h1.52
  text "Top Layer - Bottom Layer" at 91.053,130.864 h1.52
  text "Pad" at 129.141,130.864 h1.52
  text "Rounded" at 144.124,130.864 h1.52
  text "c0hn340" at 163.067,130.864 h1.52
  text "22" at 15.382,127.054 h1.52
  text "1.000mm (39.37mil)" at 30.364,127.054 h1.52
  text "PTH" at 59.565,127.054 h1.52
  text "Round" at 72.414,127.054 h1.52
  text "Top Layer - Bottom Layer" at 91.053,127.054 h1.52
  text "Pad" at 129.141,127.054 h1.52
  text "(Mixed)" at 144.124,127.054 h1.52
  text "(Mixed)" at 163.067,127.054 h1.52
  text "79" at 15.382,123.244 h1.52
  text "0.762mm (30.00mil)" at 30.364,123.244 h1.52
  text "PTH" at 59.565,123.244 h1.52
  text "Round" at 72.414,123.244 h1.52
  text "Top Layer - Bottom Layer" at 91.053,123.244 h1.52
  text "Pad" at 129.141,123.244 h1.52
  text "Rounded" at 144.124,123.244 h1.52
  text "c152h76" at 163.067,123.244 h1.52
  text "209" at 15.382,119.434 h1.52
  text "0.400mm (15.75mil)" at 30.364,119.434 h1.52
  text "PTH" at 59.565,119.434 h1.52
  text "Round" at 72.414,119.434 h1.52
  text "Top Layer - Bottom Layer" at 91.053,119.434 h1.52
  text "Via" at 129.141,119.434 h1.52
  text "Rounded" at 144.124,119.434 h1.52
  text "v80h40" at 163.067,119.434 h1.52
  text "318 Total" at 15.382,115.624 h1.52
Outline:
  the board outline again, w0.254

## Dimensions
0,0 to 0,100 on Top Dimensions (Mech11)
0,0 to 120,0 on Top Dimensions (Mech11)